# KiCad board SUMEC_MK_V.kicad_pcb
title: SUMEC MK IV PCB; date: 2024-08-30; rev: v2.1.1; company: SPŠ NA PROSEKU; note: MADE BY BISMARX (SAVVA POPOV)
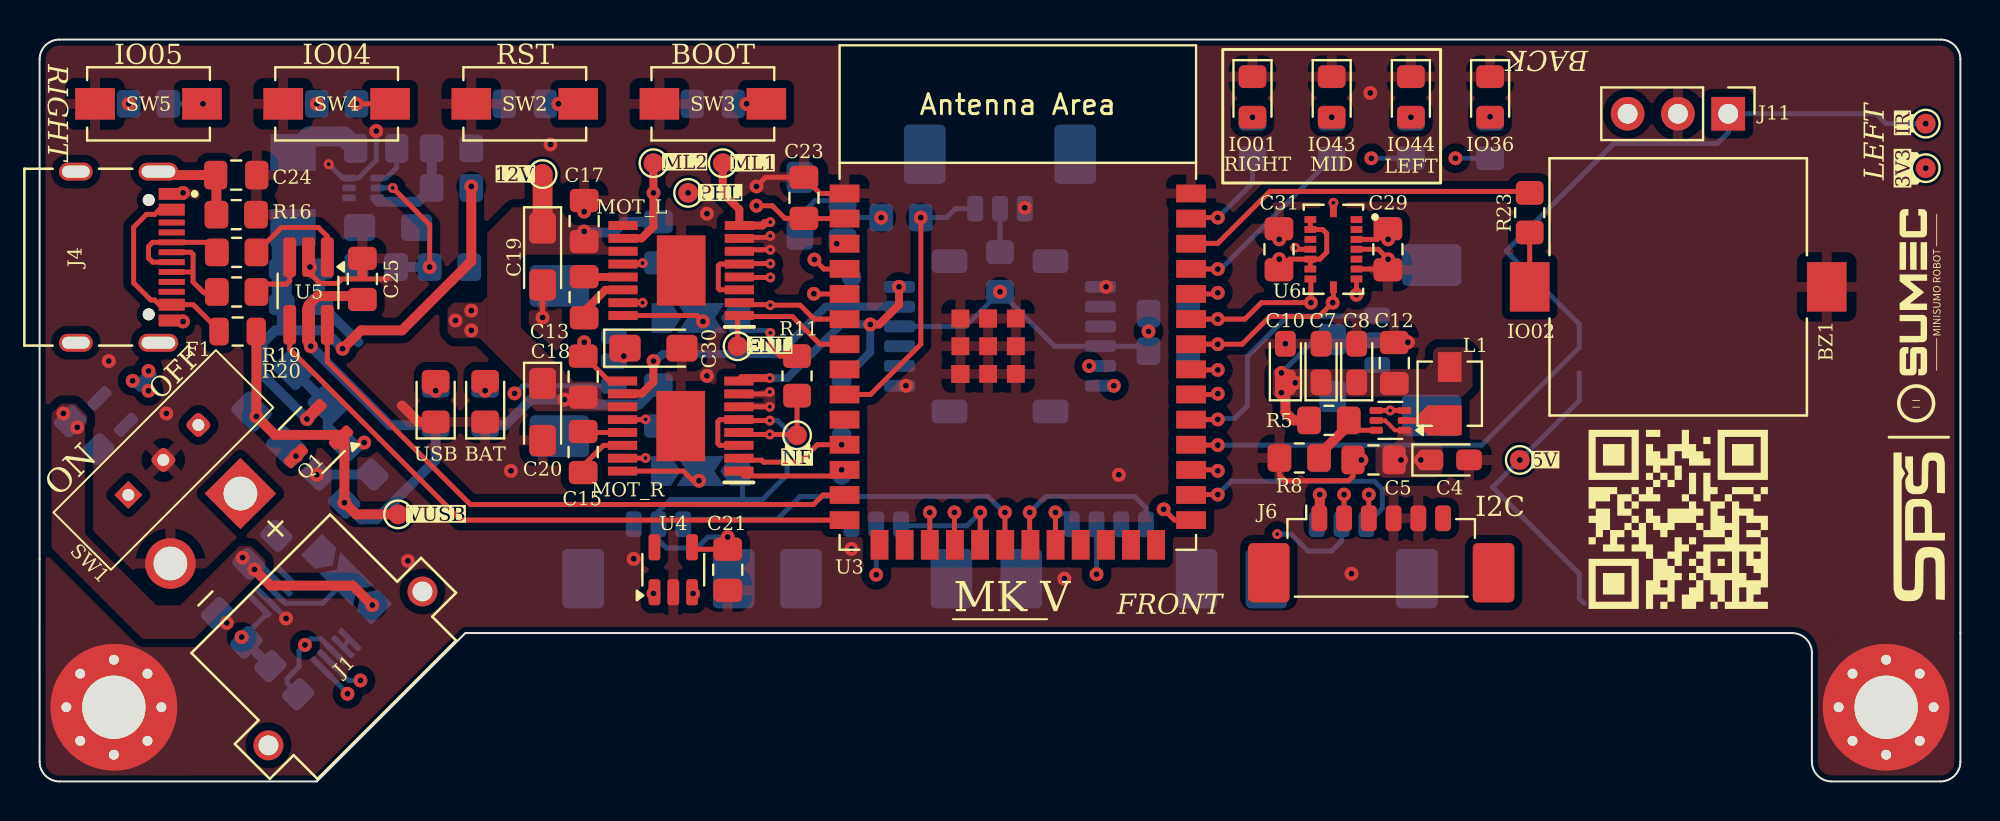
[diagram p0: board, top side]
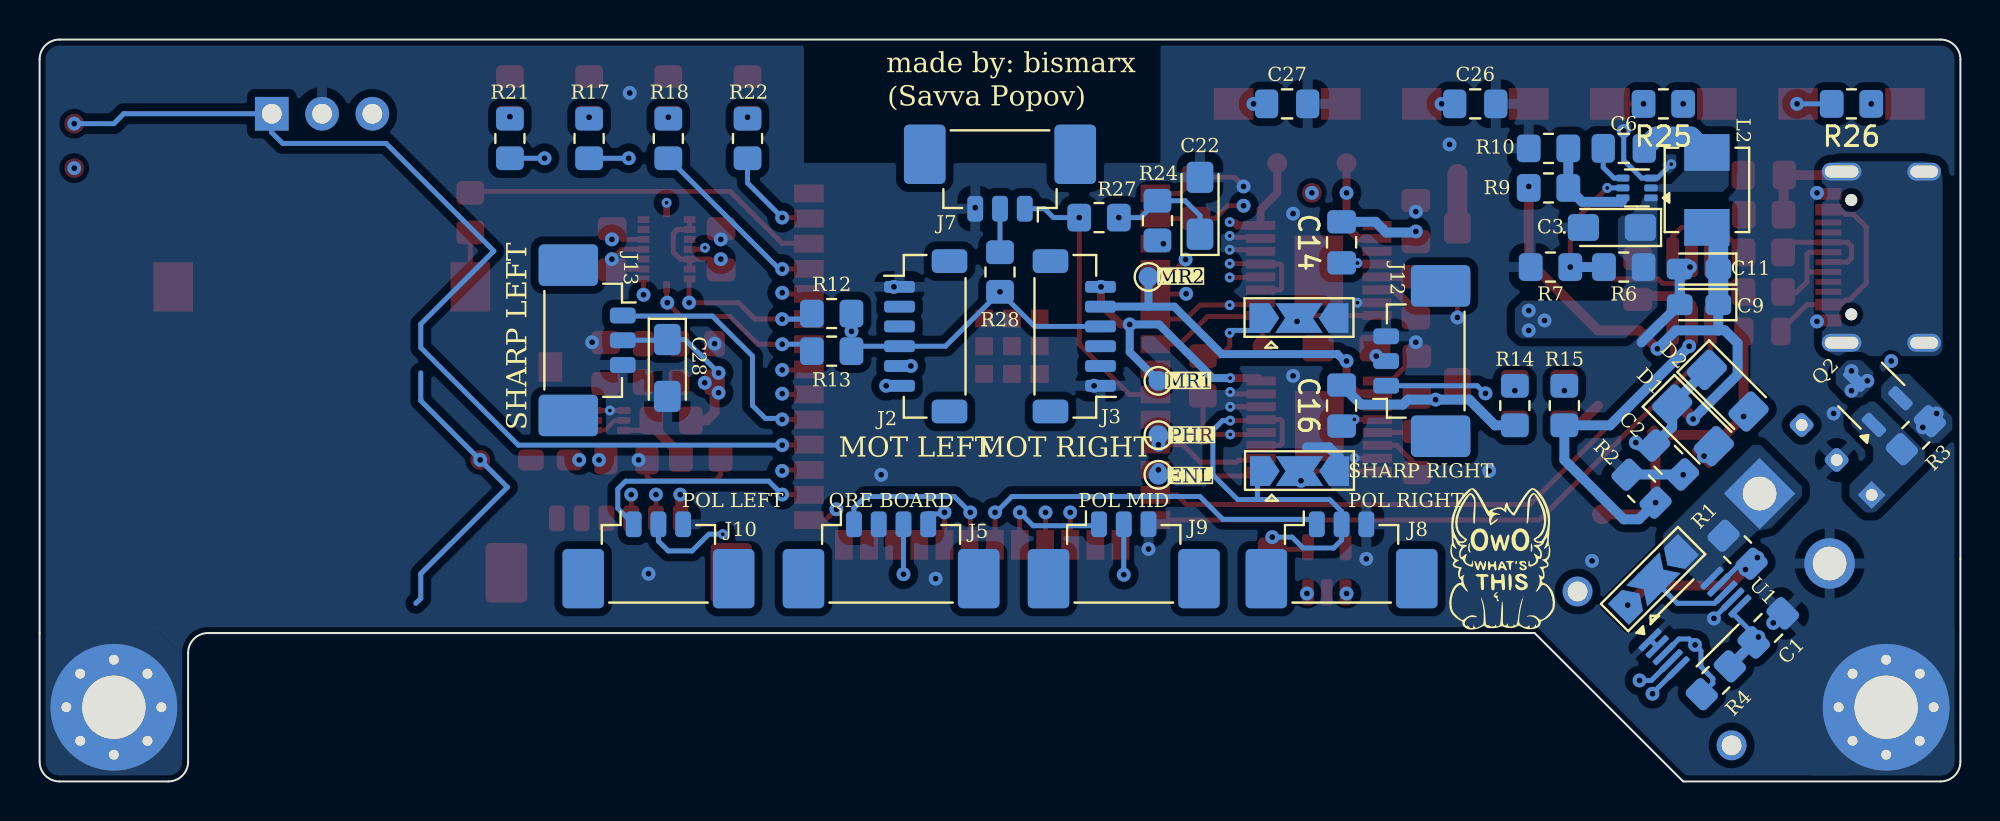
[diagram p1: board, bottom side, seen from below]

Outline 97 x 37.5 mm; copper layers: Front.Cu, In1.Cu (plane), In2.Cu (plane), Back.Cu. Coordinates in mm from the lower left corner of the outline.
Outline path: 0,36.5 arc(0.29,37.21) 1,37.5 96,37.5 arc(96.71,37.21) 97,36.5 97,1 arc(96.71,0.29) 96,0 90.5,0 arc(89.79,0.29) 89.5,1 89.5,6.5 arc(89.21,7.21) 88.5,7.5 21.5,7.5 14,0 1,0 arc(0.29,0.29) 0,1 0,36.5
Stack: Front.Cu 0.035mm / dielectric 0.1mm FR4 er 4.5 / In1.Cu 0.035mm / dielectric 1.24mm FR4 er 4.5 / In2.Cu 0.035mm / dielectric 0.1mm FR4 er 4.5 / Back.Cu 0.035mm

## Placement (name value [footprint] x y rotation side)
BZ1  Buzzer  [BUZZER_CUI_CPT]  82.75 25 90 top
C1  100nF  [C_0805_2012Metric_Pad1.18x1.45mm_HandSolder]  9.7 7.76 315 bottom
C2  100nF  [C_0805_2012Metric_Pad1.18x1.45mm_HandSolder]  14.75 16.25 225 bottom
C3  10uF  [CP_EIA-3216-18_Kemet-A_Pad1.58x1.35mm_HandSolder]  17.6 28 0 bottom
C4  22uF  [CP_EIA-2012-12_Kemet-R_Pad1.30x1.05mm_HandSolder]  71.21 16.25 0 top
C5  100nF  [C_0805_2012Metric_Pad1.18x1.45mm_HandSolder]  67.36 16.25 180 top
C6  100nF  [C_0805_2012Metric_Pad1.18x1.45mm_HandSolder]  17 32 0 bottom
C7  22uF  [CP_EIA-2012-12_Kemet-R_Pad1.30x1.05mm_HandSolder]  64.71 21.15 90 top
C8  22uF  [CP_EIA-2012-12_Kemet-R_Pad1.30x1.05mm_HandSolder]  66.51 21.15 90 top
C9  22uF  [CP_EIA-2012-12_Kemet-R_Pad1.30x1.05mm_HandSolder]  13.2 24.1 0 bottom
C10  22uF  [CP_EIA-2012-12_Kemet-R_Pad1.30x1.05mm_HandSolder]  62.91 21.15 90 top
C11  22uF  [CP_EIA-2012-12_Kemet-R_Pad1.30x1.05mm_HandSolder]  13.2 25.9 0 bottom
C12  100nF  [C_0805_2012Metric_Pad1.18x1.45mm_HandSolder]  68.41 21.15 90 top
C13  22nF  [C_0805_2012Metric_Pad1.18x1.45mm_HandSolder]  27.5 24.48 90 top
C14  100nF  [C_0805_2012Metric_Pad1.18x1.45mm_HandSolder]  31.25 27.25 90 bottom
C15  22nF  [C_0805_2012Metric_Pad1.18x1.45mm_HandSolder]  27.45 16.65 90 top
C16  100nF  [C_0805_2012Metric_Pad1.18x1.45mm_HandSolder]  31.25 19 90 bottom
C17  100nF  [C_0805_2012Metric_Pad1.18x1.45mm_HandSolder]  27.5 28.33 270 top
C18  100nF  [C_0805_2012Metric_Pad1.18x1.45mm_HandSolder]  27.45 20.46 270 top
C19  10uF  [CP_EIA-3216-18_Kemet-A_Pad1.58x1.35mm_HandSolder]  25.4 26.54 270 top
C20  10uF  [CP_EIA-3216-18_Kemet-A_Pad1.58x1.35mm_HandSolder]  25.4 18.67 270 top
C21  100nF  [C_0805_2012Metric_Pad1.18x1.45mm_HandSolder]  34.75 10.7 270 top
C22  10uF  [CP_EIA-3216-18_Kemet-A_Pad1.58x1.35mm_HandSolder]  38.4 29.1 90 bottom
C23  100nF  [C_0805_2012Metric_Pad1.18x1.45mm_HandSolder]  38.6 29.5 90 top
C24  100nF  [C_0805_2012Metric_Pad1.18x1.45mm_HandSolder]  9.93 30.65 180 top
C25  100nF  [C_0805_2012Metric_Pad1.18x1.45mm_HandSolder]  16.3 25.4 90 top
C26  100nF  [C_0805_2012Metric_Pad1.18x1.45mm_HandSolder]  24.5 34.25 180 bottom
C27  100nF  [C_0805_2012Metric_Pad1.18x1.45mm_HandSolder]  34 34.25 180 bottom
C28  10uF  [CP_EIA-3216-18_Kemet-A_Pad1.58x1.35mm_HandSolder]  65.3 20.9 270 bottom
C29  100nF  [C_0805_2012Metric_Pad1.18x1.45mm_HandSolder]  68.09 26.9 90 top
C30  10uF  [CP_EIA-3216-18_Kemet-A_Pad1.58x1.35mm_HandSolder]  31 21.9 0 top
C31  100nF  [C_0805_2012Metric_Pad1.18x1.45mm_HandSolder]  62.59 26.9 270 top
D1  D_Schottky  [D_1206_3216Metric_Pad1.42x1.75mm_HandSolder]  13.5 18 225 bottom
D2  D_Schottky  [D_1206_3216Metric_Pad1.42x1.75mm_HandSolder]  11.75 19.75 225 bottom
D3  LED  [LED_0805_2012Metric_Pad1.15x1.40mm_HandSolder]  22.5 19.2 90 top
D4  LED  [LED_0805_2012Metric_Pad1.15x1.40mm_HandSolder]  20 19.2 90 top
D5  LED  [LED_0805_2012Metric_Pad1.15x1.40mm_HandSolder]  69.25 34.6 270 top
D6  LED  [LED_0805_2012Metric_Pad1.15x1.40mm_HandSolder]  65.25 34.6 270 top
D7  LED  [LED_0805_2012Metric_Pad1.15x1.40mm_HandSolder]  73.25 34.6 270 top
D8  LED  [LED_0805_2012Metric_Pad1.15x1.40mm_HandSolder]  61.25 34.6 270 top
F1  Polyfuse/0R  [Fuse_0805_2012Metric]  10 22.74 180 top
H1  Mounting Hole M3  [MountingHole_3.2mm_M3_Pad_Via]  3.75 3.75 0 top
H2  Mounting Hole M3  [MountingHole_3.2mm_M3_Pad_Via]  93.25 3.75 0 top
IC1  TPS565242DRLR  [SOT-563]  68.21 18.25 180 top
IC2  DRV8874PWPR  [DRV8874]  32.4 25.83 180 top
IC3  DRV8874PWPR  [DRV8874]  32.38 17.96 180 top
J1  -  [XT30PW-M]  15.44 5.71 225 top
J2  Conn_01x06_Socket  [JST_SH_BM06B-SRSS-TB_1x06-1MP_P1.00mm_Vertical]  52.25 22.5 270 bottom
J3  Conn_01x06_Socket  [JST_SH_BM06B-SRSS-TB_1x06-1MP_P1.00mm_Vertical]  44.75 22.5 90 bottom
J4  USB_TypeC  [HRO_TYPE-C-31-M-12]  1.83 26.5 270 top
J5  Conn_01x04_Pin  [Molex_PicoBlade_53398-0471_1x04-1MP_P1.25mm_Vertical]  54 11.75 180 bottom
J6  Conn_01x06_Pin  [Molex_PicoBlade_53398-0671_1x06-1MP_P1.25mm_Vertical]  67.75 12.05 0 top
J7  Conn_01x03_Pin  [Molex_PicoBlade_53398-0371_1x03-1MP_P1.25mm_Vertical]  48.5 30.2 0 bottom
J8  Conn_01x03_Pin  [Molex_PicoBlade_53398-0371_1x03-1MP_P1.25mm_Vertical]  31.25 11.75 180 bottom
J9  Conn_01x03_Pin  [Molex_PicoBlade_53398-0371_1x03-1MP_P1.25mm_Vertical]  42.25 11.75 180 bottom
J10  Conn_01x03_Pin  [Molex_PicoBlade_53398-0371_1x03-1MP_P1.25mm_Vertical]  65.75 11.75 180 bottom
J11  Conn_01x03_Pin  [PinHeader_1x03_P2.54mm_Vertical]  85.28 33.75 270 top
J12  Conn_01x03_Pin  [Molex_PicoBlade_53398-0371_1x03-1MP_P1.25mm_Vertical]  27.75 21.25 90 bottom
J13  Conn_01x03_Pin  [Molex_PicoBlade_53398-0371_1x03-1MP_P1.25mm_Vertical]  68.8 22.3 270 bottom
JP1  SolderJumper_3_Open  [SolderJumper-3_P2.0mm_Open_TrianglePad1.0x1.5mm]  15.5 10.21 135 bottom
JP2  SolderJumper_3_Open  [SolderJumper-3_P2.0mm_Open_TrianglePad1.0x1.5mm]  33.4 23.42 180 bottom
JP3  SolderJumper_3_Open  [SolderJumper-3_P2.0mm_Open_TrianglePad1.0x1.5mm]  33.38 15.69 180 bottom
L1  1.5uH  [L_Vishay_IHLP-1212]  71.21 19.6 90 top
L2  3.3uH  [L_Vishay_IHLP-1616]  12.8 29.9 270 bottom
Q1  Q_PMOS  [SOT-23-3]  13.75 17.25 225 top
Q2  Q_PMOS  [SOT-23-3]  4.5 19.5 45 bottom
R1  2m  [R_0805_2012Metric_Pad1.20x1.40mm_HandSolder]  11.25 11.71 225 bottom
R2  10k  [R_0805_2012Metric_Pad1.20x1.40mm_HandSolder]  16.1 14.8 45 bottom
R3  10k  [R_0805_2012Metric_Pad1.20x1.40mm_HandSolder]  2.25 17.5 315 bottom
R4  10k  [R_0805_2012Metric_Pad1.20x1.40mm_HandSolder]  12.35 5.11 315 bottom
R5  45k  [R_0805_2012Metric_Pad1.20x1.40mm_HandSolder]  65.11 18.25 0 top
R6  100k  [R_0805_2012Metric_Pad1.20x1.40mm_HandSolder]  17 26 0 bottom
R7  52.3k  [R_0805_2012Metric_Pad1.20x1.40mm_HandSolder]  20.7 26 0 bottom
R8  10k  [R_0805_2012Metric_Pad1.20x1.40mm_HandSolder]  63.61 16.35 180 top
R9  52.3k  [R_0805_2012Metric_Pad1.20x1.40mm_HandSolder]  20.8 30 180 bottom
R10  10k  [R_0805_2012Metric_Pad1.20x1.40mm_HandSolder]  20.8 32 0 bottom
R11  10k  [R_0805_2012Metric_Pad1.20x1.40mm_HandSolder]  38.25 20.5 90 top
R12  10k  [R_0805_2012Metric_Pad1.20x1.40mm_HandSolder]  57 23.65 180 bottom
R13  10k  [R_0805_2012Metric_Pad1.20x1.40mm_HandSolder]  57 21.75 180 bottom
R14  1k  [R_0805_2012Metric_Pad1.20x1.40mm_HandSolder]  22.5 19 90 bottom
R15  220R  [R_0805_2012Metric_Pad1.20x1.40mm_HandSolder]  20 19 90 bottom
R16  100k  [R_0805_2012Metric_Pad1.20x1.40mm_HandSolder]  9.93 28.65 0 top
R17  220R  [R_0805_2012Metric_Pad1.20x1.40mm_HandSolder]  69.25 32.5 90 bottom
R18  220R  [R_0805_2012Metric_Pad1.20x1.40mm_HandSolder]  65.25 32.5 90 bottom
R19  15R  [R_0805_2012Metric_Pad1.20x1.40mm_HandSolder]  9.95 26.74 0 top
R20  15R  [R_0805_2012Metric_Pad1.20x1.40mm_HandSolder]  9.95 24.74 0 top
R21  220R  [R_0805_2012Metric_Pad1.20x1.40mm_HandSolder]  73.25 32.5 90 bottom
R22  220R  [R_0805_2012Metric_Pad1.20x1.40mm_HandSolder]  61.25 32.5 90 bottom
R23  0R  [R_0805_2012Metric_Pad1.20x1.40mm_HandSolder]  75.25 28.75 270 top
R24  10k  [R_0805_2012Metric_Pad1.20x1.40mm_HandSolder]  40.55 28.35 90 bottom
R25  10k  [R_0805_2012Metric_Pad1.20x1.40mm_HandSolder]  15 34.25 0 bottom
R26  10k  [R_0805_2012Metric_Pad1.20x1.40mm_HandSolder]  5.5 34.25 0 bottom
R27  10k  [R_0805_2012Metric_Pad1.20x1.40mm_HandSolder]  43.5 28.5 0 bottom
R28  100R  [R_0805_2012Metric_Pad1.20x1.40mm_HandSolder]  48.5 25.75 90 bottom
SW1  SW_DPDT_x2  [Custom_SPDT_2.5_Switch]  6.25 16.25 135 top
SW2  SW_Push  [SW_SPST_EVQPE1]  24.5 34.25 0 top
SW3  SW_Push  [SW_SPST_EVQPE1]  34 34.25 0 top
SW4  SW_Push  [SW_SPST_EVQPE1]  15 34.25 0 top
SW5  SW_Push  [SW_SPST_EVQPE1]  5.5 34.25 0 top
TP1  TestPoint  [SUMEC_QR_IMG]  82.75 13.25 0 top
TP2  TestPoint  [SPS_LOGO_IMG]  94.65 12.65 90 top
TP3  TestPoint  [SUMEC_LOGO_IMG]  95.46 22.65 90 top
TP4  TestPoint  [CATTO_MASK_IMG]  87.06 21.25 270 bottom
TP5  TestPoint  [OWO_WHATS_THIS_IMG]  23.25 11.25 180 bottom
TP7  TestPoint  [CALIPER_IMG]  -299.46 95.66 0 top
TP8  TestPoint  [BEE_IMG]  -186.53 150.35 0 top
TP9  TestPoint  [FLOWER_IMG]  -200.53 112.54 0 top
TP10  TestPoint  [SYMBOL_IMG]  -533.75 -18 0 top
TP11  TestPoint  [TestPoint_Pad_D1.0mm]  38.25 17.5 0 top
TP12  TestPoint  [TestPoint_Pad_D1.0mm]  74.75 16.25 180 top
TP13  TestPoint  [TestPoint_Pad_D1.0mm]  18.1 13.5 0 top
TP14  TestPoint  [TestPoint_Pad_D1.0mm]  95.25 31 0 top
TP15  TestPoint  [TestPoint_Pad_D1.0mm]  35.25 22 0 top
TP16  TestPoint  [TestPoint_Pad_D1.0mm]  25.4 30.7 0 top
TP17  TestPoint  [TestPoint_Pad_D1.0mm]  32.75 29.75 0 top
TP18  TestPoint  [TestPoint_Pad_D1.0mm]  40.5 15.5 0 bottom
TP19  TestPoint  [TestPoint_Pad_D1.0mm]  95.25 33.25 180 top
TP20  TestPoint  [TestPoint_Pad_D1.0mm]  40.5 17.5 0 bottom
TP21  TestPoint  [TestPoint_Pad_D1.0mm]  40.5 20.25 0 bottom
TP22  TestPoint  [TestPoint_Pad_D1.0mm]  41 25.5 0 bottom
TP23  TestPoint  [TestPoint_Pad_D1.0mm]  34.5 31.25 0 top
TP24  TestPoint  [TestPoint_Pad_D1.0mm]  31 31.25 0 top
U1  INA226  [VSSOP-10_3x3mm_P0.5mm]  13.4 8.01 135 bottom
U2  AP62300Z6  [SOT-563]  16.34 30 0 bottom
U3  -  [ESP32-S3-WROOM-1]  49.4 21.46 0 top
U4  24CW1280T-I/OT  [SOT-23-5]  32 10.7 90 top
U5  USBLC6-2SC6  [TSOT-23-6_HandSoldering]  13.58 24.79 270 top
U6  BMI088  [PQFN50P450X300X100-16N]  65.34 26.9 270 top

## Library data of the parts
BZ1 = -: Datasheet: https://cz.mouser.com/ProductDetail/CUI-Devices/CPT-1625-80-SMT-TR?qs=P1JMDcb91o43eCFIymFs3Q%3D%3D; Description: Buzzer, polarized; ki_fp_filters: *Buzzer*
C1 C2 C17 C18 C21 C23-C27 = -: ki_fp_filters: C_*
C3 C19 C20 C22 = -: ki_fp_filters: CP_*
C4 = -: Datasheet: https://cz.mouser.com/ProductDetail/KYOCERA-AVX/TCTP1A226M8R?qs=By6Nw2ByBD3AJs9Xk0HVmg%3D%3D; Description: Polarized capacitor; ki_fp_filters: CP_*
C5 C12 = -: LCSC: C49678; ki_fp_filters: C_*
C6 C13-C16 = -: Description: Unpolarized capacitor, small symbol; ki_fp_filters: C_*
C7-C11 = -: Description: Polarized capacitor; ki_fp_filters: CP_*
C28 C30 = -: Description: Polarized capacitor, small symbol; ki_fp_filters: CP_*
C29 C31 = -: Description: Unpolarized capacitor; ki_fp_filters: C_*
D1 D2 = -: Description: Schottky diode; ki_fp_filters: TO-???* *_Diode_* *SingleDiode* D_*
D3-D8 = -: ki_fp_filters: LED* LED_SMD:* LED_THT:*
F1 = -: Datasheet: https://cz.mouser.com/ProductDetail/Littelfuse/0805L020-16YR?qs=HoCaDK9Nz5e9OjGjdp4q0Q%3D%3D; Description: Resettable fuse, polymeric positive temperature coefficient; ki_fp_filters: *polyfuse* *PTC*
H1 H2 = -: Description: Mounting Hole with connection; ki_fp_filters: MountingHole*Pad*
IC1 = -: Datasheet: https://www.ti.com/lit/gpn/tps565247; Description: Switching Voltage Regulators 3-V to 16-V input voltage, 5-A ECO mode, synchronous buck converter in SOT-563 package; Height: 0.6; Manufacturer_Name: Texas Instruments; Mouser Part Number: 595-TPS565242DRLR; Mouser Price/Stock: https://www.mouser.co.uk/ProductDetail/Texas-Instruments/TPS565242DRLR?qs=tlsG%2FOw5FFgHUuabKshykA%3D%3D; LCSC: XXXX
IC2 IC3 = -: Datasheet: https://www.ti.com/lit/gpn/DRV8874; Description: H-Bridge Motor Driver With Integrated Current Sense and Regulation; Height: 1.2; Manufacturer_Name: Texas Instruments; Mouser Part Number: 595-DRV8874PWPR; Mouser Price/Stock: https://www.mouser.co.uk/ProductDetail/Texas-Instruments/DRV8874PWPR?qs=mAH9sUMRCtvh%2FSU15ywmDA%3D%3D; Arrow Price/Stock: https://www.arrow.com/en/products/drv8874pwpr/texas-instruments?region=nac
J1 = -: Description: Socket; DC supply; XT30; male; PIN: 2; on PCBs; THT; Colour: yellow; MF: AMASS; MAXIMUM_PACKAGE_HEIGHT: 5 mm; Package: None; Price: None; Check_prices: https://www.snapeda.com/parts/XT30PW-M/AMASS/view-part/?ref=eda; STANDARD: Manufacturer Recommendations; PARTREV: 1.2; SnapEDA_Link: https://www.snapeda.com/parts/XT30PW-M/AMASS/view-part/?ref=snap; MANUFACTURER: Amass; Availability: Not in stock
J2 J3 = -: Description: Generic connector, single row, 01x06, script generated; ki_fp_filters: Connector*:*_1x??_*
J4 = -: Datasheet: TYPE-C-31-M-12; Description: USB Connectors 24 Receptacle 1 8.94*7.3mm RoHS; MF: HRO Electronics Co., Ltd.; MAXIMUM_PACKAGE_HEIGHT: 3.26 mm; Package: Package; Price: None; Check_prices: https://www.snapeda.com/parts/TYPE-C-31-M-12/HRO+Electronics+Co.%252C+Ltd./view-part/?ref=eda; STANDARD: Manufacturer Recommendations; PARTREV: 2020.12.08; SnapEDA_Link: https://www.snapeda.com/parts/TYPE-C-31-M-12/HRO+Electronics+Co.%252C+Ltd./view-part/?ref=snap; MP: TYPE-C-31-M-12; SNAPEDA_PN: TYPE-C-31-M-12; Availability: Not in stock; MANUFACTURER: HRO Electronics Co., Ltd.
J5-J7 J12 J13 = -: ki_fp_filters: Connector*:*_1x??_*
J8-J11 = -: Description: Generic connector, single row, 01x03, script generated; ki_fp_filters: Connector*:*_1x??_*
JP1-JP3 = -: Description: Solder Jumper, 3-pole, open; ki_fp_filters: SolderJumper*Open*
L1 = -: Datasheet: https://cz.mouser.com/ProductDetail/Vishay-Dale/IHLP1212BZEV1R5M5A?qs=BJlw7L4Cy7%2FLPKyjRWwgFw%3D%3D; Description: Inductor; ki_fp_filters: Choke_* *Coil* Inductor_* L_*
L2 = -: Datasheet: https://cz.mouser.com/ProductDetail/Vishay-Dale/IHLP1616BZER3R3M11?qs=gMuw6kkpPFjALKmObUci1A%3D%3D; Description: Inductor; ki_fp_filters: Choke_* *Coil* Inductor_* L_*
Q1 = -: Description: P-MOSFET transistor, gate/source/drain
Q2 = -: Datasheet: https://cz.mouser.com/ProductDetail/Vishay-Semiconductors/SI2393DS-T1-GE3?qs=BJlw7L4Cy7%2FUF13oxTStOQ%3D%3D; Description: P-MOSFET transistor, gate/source/drain
R1-R4 R23 = -: Description: Resistor; ki_fp_filters: R_*
R5 = -: LCSC: C17470; ki_fp_filters: R_*
R6 R7 R9-R11 R25 R26 = -: Description: Resistor, small symbol; ki_fp_filters: R_*
R8 = -: LCSC: C17633; ki_fp_filters: R_*
R12-R22 R24 R27 R28 = -: ki_fp_filters: R_*
SW1 = -: Datasheet: https://cz.mouser.com/ProductDetail/Same-Sky/SLW-116641-5A-S-D?qs=IKkN%2F947nfBZSdW8n5Vqgw%3D%3D; ki_fp_filters: SW*DPDT*
SW2 = -: Datasheet: https://cz.mouser.com/ProductDetail/Panasonic/EVQ-PE104K?qs=wX5mvoJE4NGLiYsCBZAptQ%3D%3D
TP1-TP5 TP7-TP24 = -: Description: test point; ki_fp_filters: Pin* Test*
U1 = -: Datasheet: http://www.ti.com/lit/ds/symlink/ina226.pdf; Description: High-Side or Low-Side Measurement, Bi-Directional Current and Power Monitor (0-36V) with I2C Compatible Interface, VSSOP-10; ki_fp_filters: VSSOP*3x3mm*P0.5mm*
U2 = -: Datasheet: https://www.diodes.com/assets/Datasheets/AP62300_AP62301_AP62300T.pdf; Description: 3A, 1.3MHz Buck DC/DC Converter, adjustable output voltage, SOT-563; ki_fp_filters: SOT?563*
U3 = -: Datasheet: https://www.espressif.com/sites/default/files/documentation/esp32-s3-wroom-1_wroom-1u_datasheet_en.pdf; Description: RF Module, ESP32-S3 SoC, Wi-Fi 802.11b/g/n, Bluetooth, BLE, 32-bit, 3.3V, onboard antenna, SMD; ki_fp_filters: ESP32?S3?WROOM?1*
U4 = -: Datasheet: https://cz.mouser.com/ProductDetail/Microchip-Technology/24CW1280T-I-OT?qs=qSfuJ%2Bfl%2Fd6lIWZGGRvkYA%3D%3D&srsltid=AfmBOopEyBEM8kXNtGpJf08nyoKZxPpbOdyFuOdmG2mnxvdzQvTssOs6; Description: I2C Serial EEPROM, 128Kb, SOT-23; ki_fp_filters: SOT?23*
U5 = -: Description: 17V Clamp 5A (8/20µs) Ipp Tvs Diode Surface Mount SOT-23-6; MF: STMicroelectronics; PURCHASE-URL: https://pricing.snapeda.com/search/part/USBLC6-2SC6/?ref=eda; PACKAGE: SOT-23-6 STMicroelectronics; PRICE: None; Package: SOT-23-6 STMicroelectronics; Check_prices: https://www.snapeda.com/parts/USBLC6-2SC6/STMicroelectronics/view-part/?ref=eda; Price: None; SnapEDA_Link: https://www.snapeda.com/parts/USBLC6-2SC6/STMicroelectronics/view-part/?ref=snap; Purchase-URL: https://www.snapeda.com/api/url_track_click_mouser/?unipart_id=231887&manufacturer=STMicroelectronics&part_name=USBLC6-2SC6&search_term=None; Availability: In Stock; AVAILABILITY: In Stock; DESCRIPTION: 17V Clamp 5A (8/20µs) Ipp Tvs Diode Surface Mount SOT-23-6
U6 = -: Description: Accelerometer, Gyroscope, 6 Axis Sensor I²C, SPI Output; MF: Bosch Sensortec; PURCHASE-URL: https://pricing.snapeda.com/search/part/BMI088/?ref=eda; PACKAGE: VFLGA-16 Bosch Sensortec; PRICE: None; Package: VFLGA-16 Bosch Sensortec; Check_prices: https://www.snapeda.com/parts/BMI088/Bosch/view-part/?ref=eda; Price: None; SnapEDA_Link: https://www.snapeda.com/parts/BMI088/Bosch/view-part/?ref=snap; Description_1: Accelerometer, Gyroscope, 6 Axis Sensor I2C, SPI Output; Availability: In Stock; AVAILABILITY: In Stock
